# KiCad board MRIRobot_PCB.kicad_pcb
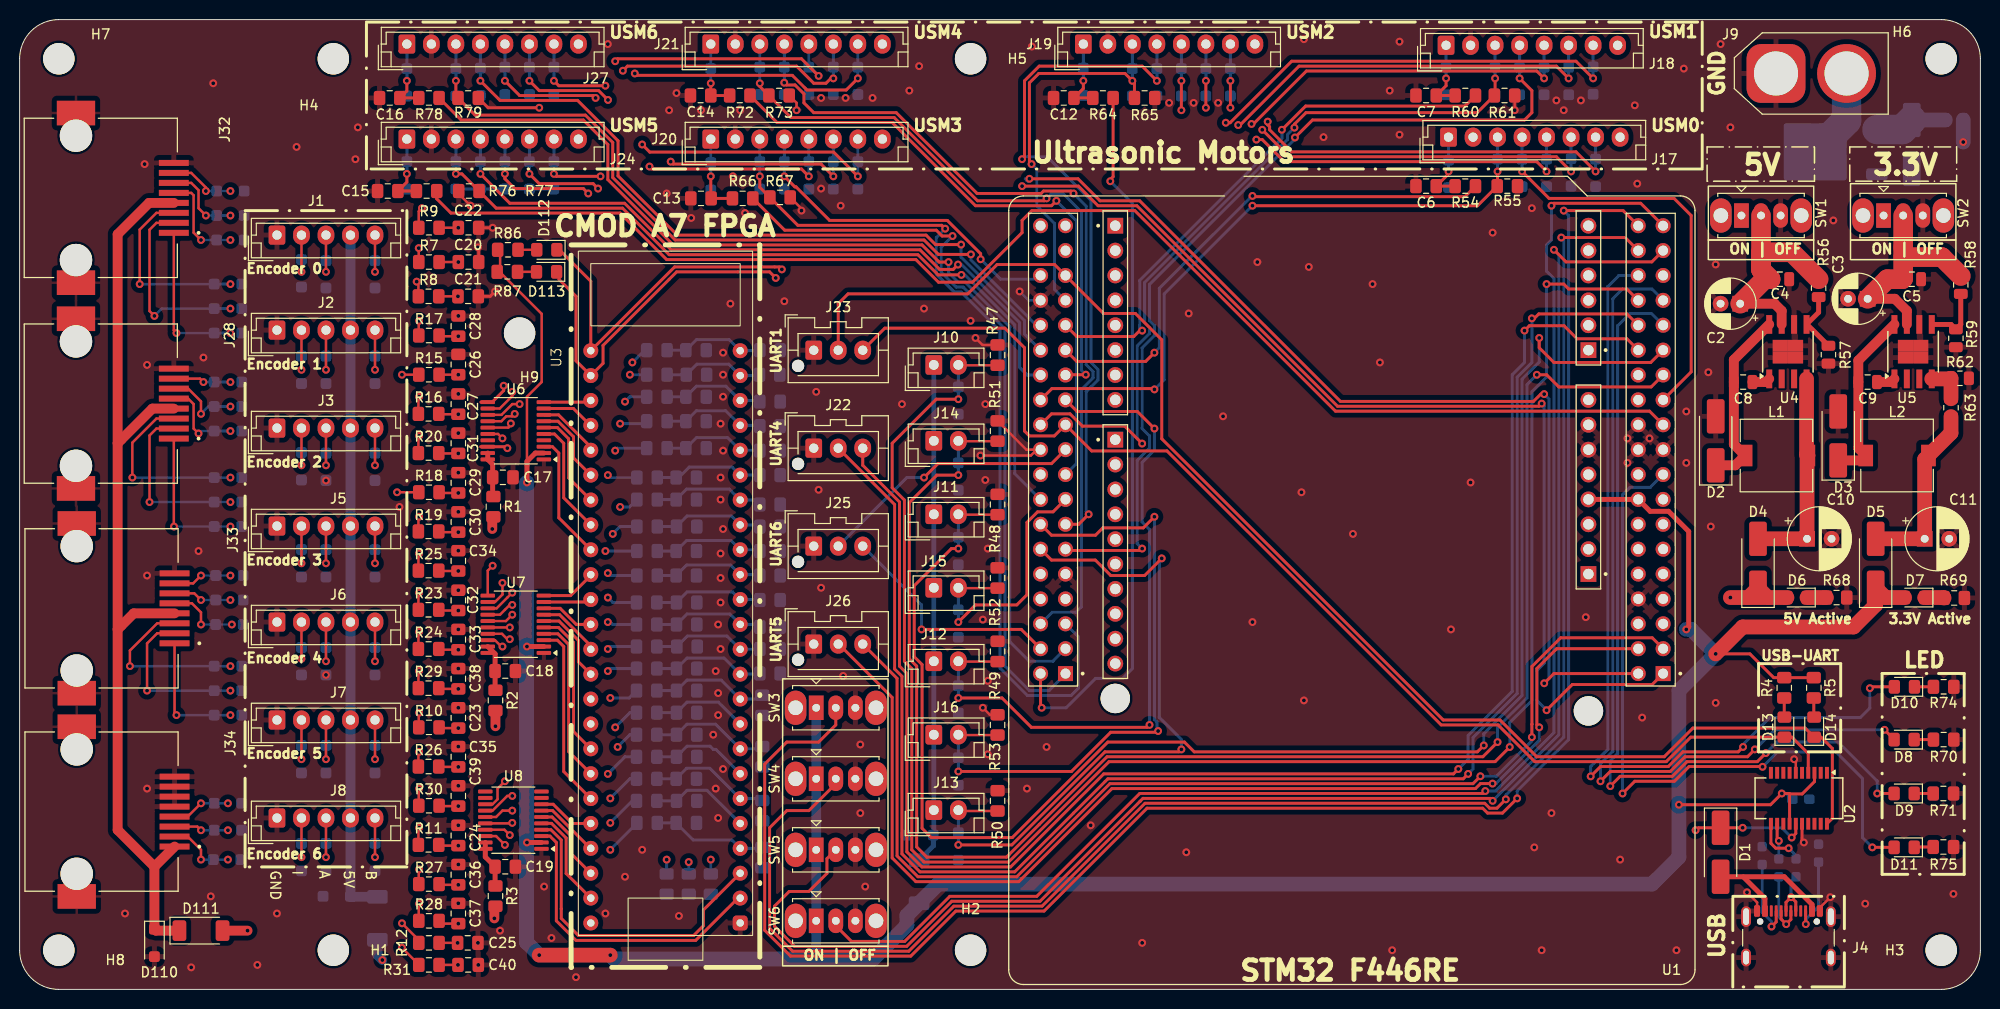
[diagram p0: board, top side]
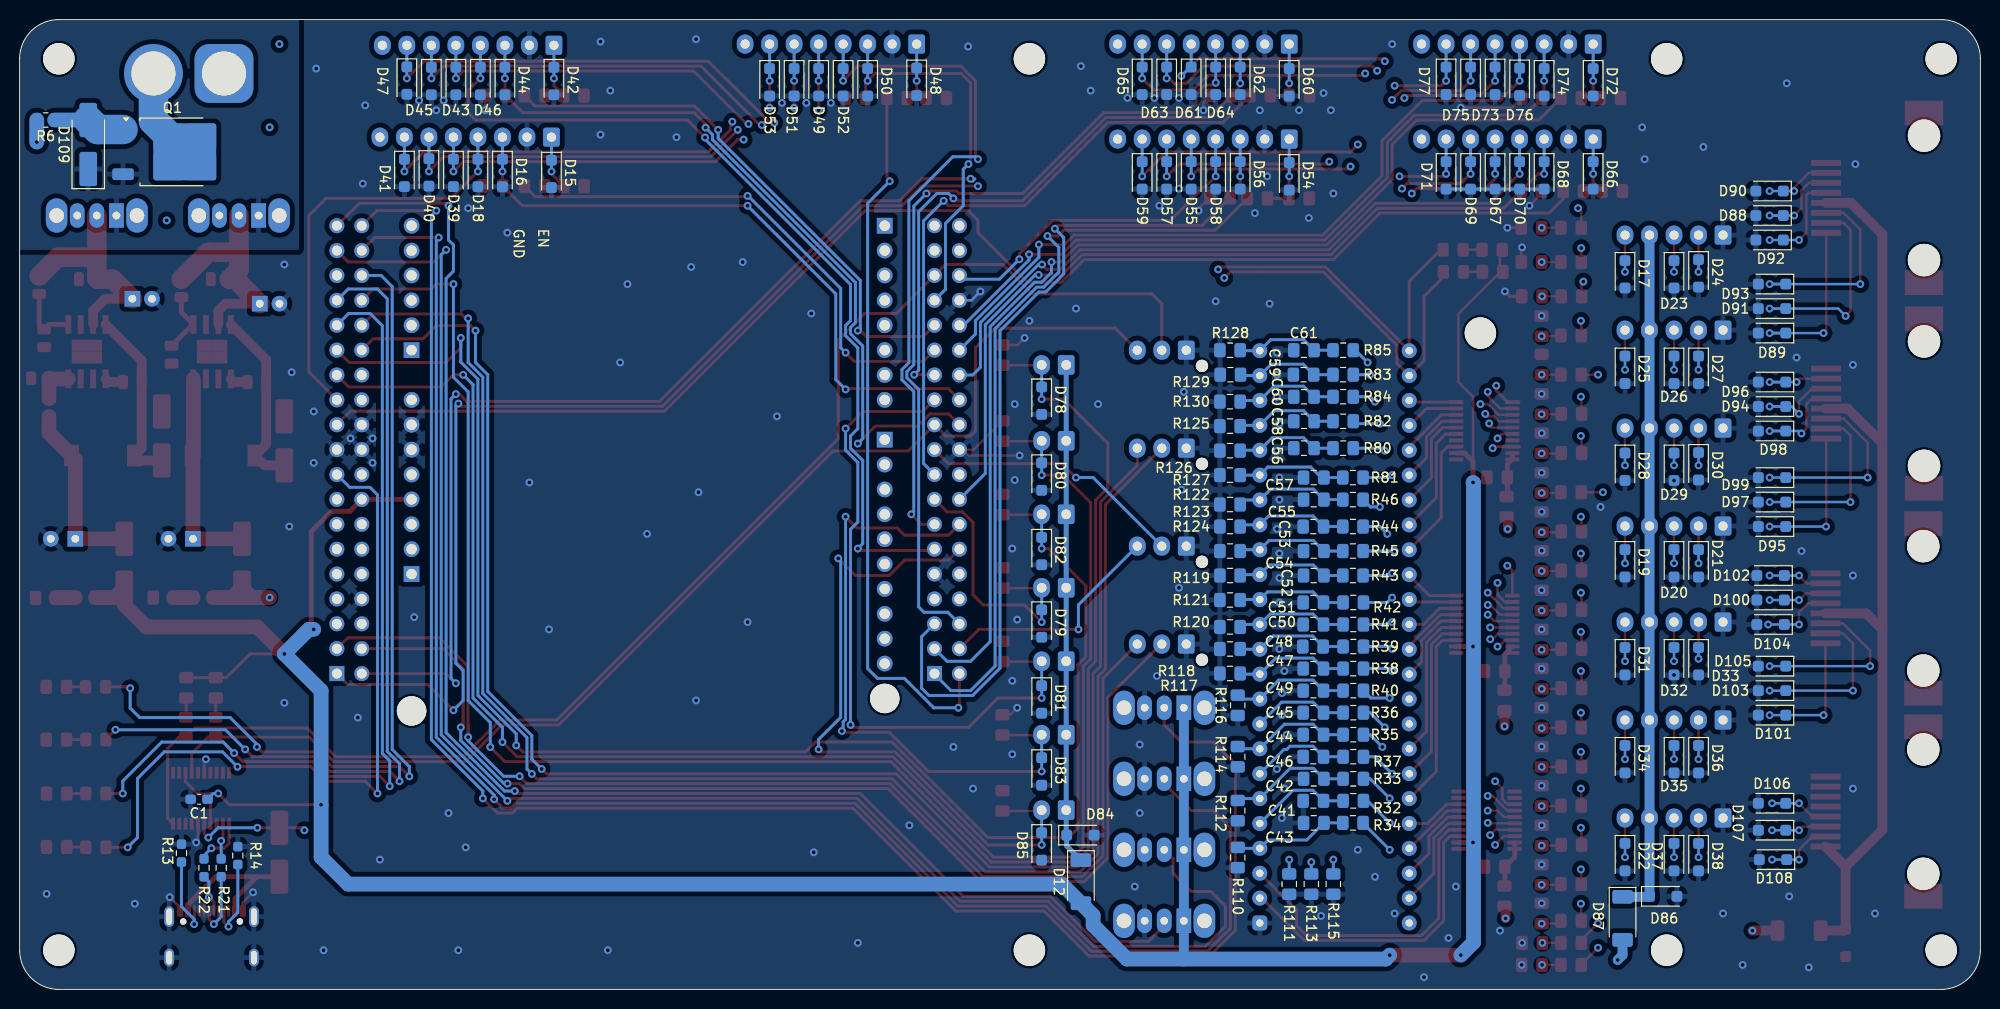
[diagram p1: board, bottom side, seen from below]

Outline 200 x 99 mm; copper layers: Top, In1.Cu, In2.Cu, Bottom. Coordinates in mm from the lower left corner of the outline.
Outline path: 0,95 0,4 arc(1.17,1.17) 4,0 196,0 arc(198.83,1.17) 200,4 200,95 arc(198.83,97.83) 196,99 4,99 arc(1.17,97.83) 0,95
Stack: Top 0.035mm / dielectric 0.1mm FR4 er 4.5 / In1.Cu 0.035mm / dielectric 1.24mm FR4 er 4.5 / In2.Cu 0.035mm / dielectric 0.1mm FR4 er 4.5 / Bottom 0.035mm

## Placement (name value [footprint] x y rotation side)
C1  0.1u  [C_0603_1608Metric_Pad1.08x0.95mm_HandSolder]  181.69 19.41 0 bottom
C2  22uF  [CP_Radial_D5.0mm_P2.00mm]  175.5 70 180 top
C3  22uF  [CP_Radial_D5.0mm_P2.00mm]  188.5 70.5 180 top
C4  6.8uF  [C_0805_2012Metric]  179.55 72.5 0 top
C5  6.8uF  [C_0805_2012Metric]  193 72.5 0 top
C6  0.01 uF  [C_0805_2012Metric_Pad1.18x1.45mm_HandSolder]  143.46 82 180 top
C7  0.01 uF  [C_0805_2012Metric_Pad1.18x1.45mm_HandSolder]  143.46 91.25 180 top
C8  10nF  [C_0805_2012Metric]  175.8 62 180 top
C9  10nF  [C_0805_2012Metric]  188.5 62 180 top
C10  120uF  [CP_Radial_D6.3mm_P2.50mm]  182.32 46 0 top
C11  120uF  [CP_Radial_D6.3mm_P2.50mm]  194.32 46 0 top
C12  0.01 uF  [C_0805_2012Metric_Pad1.18x1.45mm_HandSolder]  106.5 91 180 top
C13  0.01 uF  [C_0805_2012Metric_Pad1.18x1.45mm_HandSolder]  69.5 80.75 180 top
C14  0.01 uF  [C_0805_2012Metric_Pad1.18x1.45mm_HandSolder]  69.46 91.25 180 top
C15  0.01 uF  [C_0805_2012Metric_Pad1.18x1.45mm_HandSolder]  37.55 81.5 180 top
C16  0.01 uF  [C_0805_2012Metric_Pad1.18x1.45mm_HandSolder]  37.75 91 180 top
C17  0.1uF  [C_0805_2012Metric_Pad1.18x1.45mm_HandSolder]  49.29 52.28 0 top
C18  0.1uF  [C_0805_2012Metric_Pad1.18x1.45mm_HandSolder]  49.54 32.5 0 top
C19  0.1uF  [C_0805_2012Metric_Pad1.18x1.45mm_HandSolder]  49.54 12.53 0 top
C20  100 pF  [C_0805_2012Metric_Pad1.18x1.45mm_HandSolder]  45.79 74.25 0 top
C21  100 pF  [C_0805_2012Metric_Pad1.18x1.45mm_HandSolder]  45.75 70.75 0 top
C22  100 pF  [C_0805_2012Metric_Pad1.18x1.45mm_HandSolder]  45.79 77.75 0 top
C23  100 pF  [C_0805_2012Metric_Pad1.18x1.45mm_HandSolder]  44.75 27.71 90 top
C24  100 pF  [C_0805_2012Metric_Pad1.18x1.45mm_HandSolder]  44.75 15.71 90 top
C25  100 pF  [C_0805_2012Metric_Pad1.18x1.45mm_HandSolder]  45.71 4.75 0 top
C26  100 pF  [C_0805_2012Metric_Pad1.18x1.45mm_HandSolder]  44.75 63.79 90 top
C27  100 pF  [C_0805_2012Metric_Pad1.18x1.45mm_HandSolder]  44.75 59.75 90 top
C28  100 pF  [C_0805_2012Metric_Pad1.18x1.45mm_HandSolder]  44.75 67.71 90 top
C29  100 pF  [C_0805_2012Metric_Pad1.18x1.45mm_HandSolder]  44.75 51.71 90 top
C30  100 pF  [C_0805_2012Metric_Pad1.18x1.45mm_HandSolder]  44.75 47.71 90 top
C31  100 pF  [C_0805_2012Metric_Pad1.18x1.45mm_HandSolder]  44.75 55.75 90 top
C32  100 pF  [C_0805_2012Metric_Pad1.18x1.45mm_HandSolder]  44.75 39.71 90 top
C33  100 pF  [C_0805_2012Metric_Pad1.18x1.45mm_HandSolder]  44.75 35.71 90 top
C34  100 pF  [C_0805_2012Metric_Pad1.18x1.45mm_HandSolder]  44.75 43.75 90 top
C35  100 pF  [C_0805_2012Metric_Pad1.18x1.45mm_HandSolder]  44.75 23.75 90 top
C36  100 pF  [C_0805_2012Metric_Pad1.18x1.45mm_HandSolder]  44.75 11.71 90 top
C37  100 pF  [C_0805_2012Metric_Pad1.18x1.45mm_HandSolder]  44.75 7.75 90 top
C38  100 pF  [C_0805_2012Metric_Pad1.18x1.45mm_HandSolder]  44.75 31.71 90 top
C39  100 pF  [C_0805_2012Metric_Pad1.18x1.45mm_HandSolder]  44.75 19.75 90 top
C40  100 pF  [C_0805_2012Metric_Pad1.18x1.45mm_HandSolder]  45.75 2.5 0 top
C41  100 pF  [C_0805_2012Metric_Pad1.18x1.45mm_HandSolder]  68.04 19.25 0 bottom
C42  100 pF  [C_0805_2012Metric_Pad1.18x1.45mm_HandSolder]  68 21.5 0 bottom
C43  100 pF  [C_0805_2012Metric_Pad1.18x1.45mm_HandSolder]  68 17 0 bottom
C44  100 pF  [C_0805_2012Metric_Pad1.18x1.45mm_HandSolder]  68.04 26 0 bottom
C45  100 pF  [C_0805_2012Metric_Pad1.18x1.45mm_HandSolder]  68.04 28.25 0 bottom
C46  100 pF  [C_0805_2012Metric_Pad1.18x1.45mm_HandSolder]  68.04 23.75 0 bottom
C47  100 pF  [C_0805_2012Metric_Pad1.18x1.45mm_HandSolder]  68.04 32.75 0 bottom
C48  100 pF  [C_0805_2012Metric_Pad1.18x1.45mm_HandSolder]  68.08 35 0 bottom
C49  100 pF  [C_0805_2012Metric_Pad1.18x1.45mm_HandSolder]  68.04 30.5 0 bottom
C50  100 pF  [C_0805_2012Metric_Pad1.18x1.45mm_HandSolder]  68.04 37.25 0 bottom
C51  100 pF  [C_0805_2012Metric_Pad1.18x1.45mm_HandSolder]  68.04 39.5 0 bottom
C52  100 pF  [C_0805_2012Metric_Pad1.18x1.45mm_HandSolder]  68 42.25 0 bottom
C53  100 pF  [C_0805_2012Metric_Pad1.18x1.45mm_HandSolder]  68.04 47.25 0 bottom
C54  100 pF  [C_0805_2012Metric_Pad1.18x1.45mm_HandSolder]  68 44.75 0 bottom
C55  100 pF  [C_0805_2012Metric_Pad1.18x1.45mm_HandSolder]  68 50 0 bottom
C56  100 pF  [C_0805_2012Metric_Pad1.18x1.45mm_HandSolder]  69 55.25 0 bottom
C57  100 pF  [C_0805_2012Metric_Pad1.18x1.45mm_HandSolder]  68 52.25 0 bottom
C58  100 pF  [C_0805_2012Metric_Pad1.18x1.45mm_HandSolder]  69 58 0 bottom
C59  100 pF  [C_0805_2012Metric_Pad1.18x1.45mm_HandSolder]  69.04 62.75 0 bottom
C60  100 pF  [C_0805_2012Metric_Pad1.18x1.45mm_HandSolder]  69 60.5 0 bottom
C61  100 pF  [C_0805_2012Metric_Pad1.18x1.45mm_HandSolder]  69 65.25 0 bottom
D1  D  [D_SMA_Handsoldering]  173.5 14 270 top
D2  D  [D_SMA_Handsoldering]  173 56 90 top
D3  D  [D_SMA_Handsoldering]  185.5 56.5 90 top
D4  D  [D_SMA_Handsoldering]  177.32 43.5 90 top
D5  D  [D_SMA_Handsoldering]  189.32 43.5 90 top
D6  LED  [LED_0805_2012Metric_Pad1.15x1.40mm_HandSolder]  181.29 40 180 top
D7  LED  [LED_0805_2012Metric_Pad1.15x1.40mm_HandSolder]  193.29 40 180 top
D8  LED  [LED_0805_2012Metric_Pad1.15x1.40mm_HandSolder]  192.22 25.5 180 top
D9  LED  [LED_0805_2012Metric_Pad1.15x1.40mm_HandSolder]  192.22 20 180 top
D10  LED  [LED_0805_2012Metric_Pad1.15x1.40mm_HandSolder]  192.25 30.89 180 top
D11  LED  [LED_0805_2012Metric_Pad1.15x1.40mm_HandSolder]  192.22 14.5 180 top
D12  D  [D_SOD-128]  91.75 11 270 bottom
D13  LED  [LED_0805_2012Metric_Pad1.15x1.40mm_HandSolder]  180.01 26.78 90 top
D14  LED  [LED_0805_2012Metric_Pad1.15x1.40mm_HandSolder]  183.05 26.78 90 top
D15  D_TVS  [D_SOD-123F]  145.75 83.25 270 bottom
D16  D_TVS  [D_SOD-123F]  150.75 83.35 270 bottom
D17  D_TVS  [D_SOD-123F]  36.25 73 270 bottom
D18  D_TVS  [D_SOD-123F]  153.25 83.35 270 bottom
D19  D_TVS  [D_SOD-123F]  36.25 43.5 270 bottom
D20  D_TVS  [D_SOD-123F]  31.25 43.5 270 bottom
D21  D_TVS  [D_SOD-123F]  28.75 43.5 270 bottom
D22  D_TVS  [D_SOD-123F]  36.25 13.5 270 bottom
D23  D_TVS  [D_SOD-123F]  31.25 73 270 bottom
D24  D_TVS  [D_SOD-123F]  28.75 73.1 270 bottom
D25  D_TVS  [D_SOD-123F]  36.25 63.25 270 bottom
D26  D_TVS  [D_SOD-123F]  31.25 63.25 270 bottom
D27  D_TVS  [D_SOD-123F]  28.75 63.25 270 bottom
D28  D_TVS  [D_SOD-123F]  36.25 53.35 270 bottom
D29  D_TVS  [D_SOD-123F]  31.25 53.35 270 bottom
D30  D_TVS  [D_SOD-123F]  28.75 53.4 270 bottom
D31  D_TVS  [D_SOD-123F]  36.25 33.5 270 bottom
D32  D_TVS  [D_SOD-123F]  31.25 33.5 270 bottom
D33  D_TVS  [D_SOD-123F]  28.75 33.5 270 bottom
D34  D_TVS  [D_SOD-123F]  36.25 23.5 270 bottom
D35  D_TVS  [D_SOD-123F]  31.25 23.5 270 bottom
D36  D_TVS  [D_SOD-123F]  28.75 23.5 270 bottom
D37  D_TVS  [D_SOD-123F]  31.25 13.5 270 bottom
D38  D_TVS  [D_SOD-123F]  28.75 13.5 270 bottom
D39  D_TVS  [D_SOD-123F]  155.75 83.35 270 bottom
D40  D_TVS  [D_SOD-123F]  158.25 83.4 270 bottom
D41  D_TVS  [D_SOD-123F]  160.75 83.35 270 bottom
D42  D_TVS  [D_SOD-123F]  145.5 92.72 270 bottom
D43  D_TVS  [D_SOD-123F]  155.5 92.72 270 bottom
D44  D_TVS  [D_SOD-123F]  150.5 92.72 270 bottom
D45  D_TVS  [D_SOD-123F]  158 92.72 270 bottom
D46  D_TVS  [D_SOD-123F]  153 92.72 270 bottom
D47  D_TVS  [D_SOD-123F]  160.5 92.78 270 bottom
D48  D_TVS  [D_SOD-123F]  108.5 92.65 270 bottom
D49  D_TVS  [D_SOD-123F]  118.5 92.6 270 bottom
D50  D_TVS  [D_SOD-123F]  113.5 92.6 270 bottom
D51  D_TVS  [D_SOD-123F]  121 92.6 270 bottom
D52  D_TVS  [D_SOD-123F]  116 92.6 270 bottom
D53  D_TVS  [D_SOD-123F]  123.5 92.6 270 bottom
D54  D_TVS  [D_SOD-123F]  70.5 83 270 bottom
D55  D_TVS  [D_SOD-123F]  80.5 83.1 270 bottom
D56  D_TVS  [D_SOD-123F]  75.5 83.1 270 bottom
D57  D_TVS  [D_SOD-123F]  83 83.1 270 bottom
D58  D_TVS  [D_SOD-123F]  78 83.1 270 bottom
D59  D_TVS  [D_SOD-123F]  85.5 83.1 270 bottom
D60  D_TVS  [D_SOD-123F]  70.5 92.6 270 bottom
D61  D_TVS  [D_SOD-123F]  80.5 92.75 270 bottom
D62  D_TVS  [D_SOD-123F]  75.5 92.75 270 bottom
D63  D_TVS  [D_SOD-123F]  83 92.75 270 bottom
D64  D_TVS  [D_SOD-123F]  78 92.75 270 bottom
D65  D_TVS  [D_SOD-123F]  85.5 92.75 270 bottom
D66  D_TVS  [D_SOD-123F]  39.5 83.1 270 bottom
D67  D_TVS  [D_SOD-123F]  49.5 83.1 270 bottom
D68  D_TVS  [D_SOD-123F]  44.5 83.1 270 bottom
D69  D_TVS  [D_SOD-123F]  52 83.1 270 bottom
D70  D_TVS  [D_SOD-123F]  47 83.1 270 bottom
D71  D_TVS  [D_SOD-123F]  54.5 83.1 270 bottom
D72  D_TVS  [D_SOD-123F]  39.5 92.6 270 bottom
D73  D_TVS  [D_SOD-123F]  49.5 92.75 270 bottom
D74  D_TVS  [D_SOD-123F]  44.5 92.6 270 bottom
D75  D_TVS  [D_SOD-123F]  52 92.75 270 bottom
D76  D_TVS  [D_SOD-123F]  47 92.65 270 bottom
D77  D_TVS  [D_SOD-123F]  54.5 92.75 270 bottom
D78  D_TVS  [D_SOD-123F]  95.75 60.1 270 bottom
D79  D_TVS  [D_SOD-123F]  95.75 37.35 270 bottom
D80  D_TVS  [D_SOD-123F]  95.75 52.35 270 bottom
D81  D_TVS  [D_SOD-123F]  95.75 29.6 270 bottom
D82  D_TVS  [D_SOD-123F]  95.75 44.75 270 bottom
D83  D_TVS  [D_SOD-123F]  95.75 22.25 270 bottom
D84  D_TVS  [D_SOD-123F]  91.8 15.75 180 bottom
D85  D_TVS  [D_SOD-123F]  95.75 14.6 270 bottom
D86  D_TVS  [D_SOD-123F]  32.35 9.5 180 bottom
D87  D  [D_SOD-128]  36.5 7.25 270 bottom
D88  D_TVS  [D_SOD-123F]  21.5 79 0 bottom
D89  D_TVS  [D_SOD-123F]  21.25 67 0 bottom
D90  D_TVS  [D_SOD-123F]  21.5 81.5 0 bottom
D91  D_TVS  [D_SOD-123F]  21.25 69.5 0 bottom
D92  D_TVS  [D_SOD-123F]  21.5 76.5 0 bottom
D93  D_TVS  [D_SOD-123F]  21.25 72 0 bottom
D94  D_TVS  [D_SOD-123F]  21.25 59.5 0 bottom
D95  D_TVS  [D_SOD-123F]  21.25 47.25 0 bottom
D96  D_TVS  [D_SOD-123F]  21.25 62 0 bottom
D97  D_TVS  [D_SOD-123F]  21.25 49.75 0 bottom
D98  D_TVS  [D_SOD-123F]  21.25 57 0 bottom
D99  D_TVS  [D_SOD-123F]  21.25 52.25 0 bottom
D100  D_TVS  [D_SOD-123F]  21.4 39.75 0 bottom
D101  D_TVS  [D_SOD-123F]  21.25 28 0 bottom
D102  D_TVS  [D_SOD-123F]  21.4 42.25 0 bottom
D103  D_TVS  [D_SOD-123F]  21.25 30.5 0 bottom
D104  D_TVS  [D_SOD-123F]  21.4 37.25 0 bottom
D105  D_TVS  [D_SOD-123F]  21.25 33 0 bottom
D106  D_TVS  [D_SOD-123F]  21.25 19 0 bottom
D107  D_TVS  [D_SOD-123F]  21.25 16.25 0 bottom
D108  D_TVS  [D_SOD-123F]  21.15 13.25 0 bottom
D109  D_Zener  [D_SMA_Handsoldering]  193 86.25 90 bottom
D110  D_TVS  [D_SOD-123F]  13.75 4.75 270 top
D111  D  [D_SOD-128]  18.5 6 0 top
D112  LED  [LED_0805_2012Metric_Pad1.15x1.40mm_HandSolder]  53.78 75.5 180 top
D113  LED  [LED_0805_2012Metric_Pad1.15x1.40mm_HandSolder]  53.75 73.25 180 top
H1  MountingHole  [MountingHole_3.2mm_M3]  32 4 0 top
H2  MountingHole  [MountingHole_3.2mm_M3]  97 4 0 top
H3  MountingHole  [MountingHole_3.2mm_M3]  196 4 0 top
H4  MountingHole  [MountingHole_3.2mm_M3]  32 95 0 top
H5  MountingHole  [MountingHole_3.2mm_M3]  97 95 0 top
H6  MountingHole  [MountingHole_3.2mm_M3]  196 95 0 top
H7  MountingHole  [MountingHole_3.2mm_M3]  4 95 0 top
H8  MountingHole  [MountingHole_3.2mm_M3]  4 4 0 top
H9  MountingHole  [MountingHole_3.2mm_M3]  51 67 0 top
J1  Conn_01x05  [JST_EH_B5B-EH-A_1x05_P2.50mm_Vertical]  26.25 77 0 top
J2  Conn_01x05  [JST_EH_B5B-EH-A_1x05_P2.50mm_Vertical]  26.25 67.3 0 top
J3  Conn_01x05  [JST_EH_B5B-EH-A_1x05_P2.50mm_Vertical]  26.25 57.3 0 top
J4  USB_C_Receptacle_USB2.0_16P  [USB_C_Receptacle_GCT_USB4105-xx-A_16P_TopMnt_Horizontal]  180.42 4.32 0 top
J5  Conn_01x05  [JST_EH_B5B-EH-A_1x05_P2.50mm_Vertical]  26.25 47.3 0 top
J6  Conn_01x05  [JST_EH_B5B-EH-A_1x05_P2.50mm_Vertical]  26.25 37.5 0 top
J7  Conn_01x05  [JST_EH_B5B-EH-A_1x05_P2.50mm_Vertical]  26.25 27.5 0 top
J8  Conn_01x05  [JST_EH_B5B-EH-A_1x05_P2.50mm_Vertical]  26.25 17.5 0 top
J9  Power In  [AMASS_XT60-M_1x02_P7.20mm_Vertical]  179.15 93.5 0 top
J10  Homing  [JST_EH_B2B-EH-A_1x02_P2.50mm_Vertical]  93.25 63.75 0 top
J11  Homing  [JST_EH_B2B-EH-A_1x02_P2.50mm_Vertical]  93.25 48.5 0 top
J12  Homing  [JST_EH_B2B-EH-A_1x02_P2.50mm_Vertical]  93.25 33.5 0 top
J13  Homing  [JST_EH_B2B-EH-A_1x02_P2.50mm_Vertical]  93.25 18.3 0 top
J14  Homing  [JST_EH_B2B-EH-A_1x02_P2.50mm_Vertical]  93.25 56 0 top
J15  Homing  [JST_EH_B2B-EH-A_1x02_P2.50mm_Vertical]  93.25 41 0 top
J16  Homing  [JST_EH_B2B-EH-A_1x02_P2.50mm_Vertical]  93.25 26 0 top
J17  Conn_01x08  [JST_EH_B8B-EH-A_1x08_P2.50mm_Vertical]  145.75 87 0 top
J18  Conn_01x08  [JST_EH_B8B-EH-A_1x08_P2.50mm_Vertical]  145.5 96.38 0 top
J19  Conn_01x08  [JST_EH_B8B-EH-A_1x08_P2.50mm_Vertical]  108.5 96.5 0 top
J20  Conn_01x08  [JST_EH_B8B-EH-A_1x08_P2.50mm_Vertical]  70.5 86.8 0 top
J21  Conn_01x08  [JST_EH_B8B-EH-A_1x08_P2.50mm_Vertical]  70.5 96.5 0 top
J22  Conn_01x03  [JST_XA_B03B-XASK-1-A_1x03_P2.50mm_Vertical]  81 55.25 0 top
J23  Conn_01x03  [JST_XA_B03B-XASK-1-A_1x03_P2.50mm_Vertical]  81 65.25 0 top
J24  Conn_01x08  [JST_EH_B8B-EH-A_1x08_P2.50mm_Vertical]  39.5 86.8 0 top
J25  Conn_01x03  [JST_XA_B03B-XASK-1-A_1x03_P2.50mm_Vertical]  81 45.25 0 top
J26  Conn_01x03  [JST_XA_B03B-XASK-1-A_1x03_P2.50mm_Vertical]  81 35.25 0 top
J27  Conn_01x08  [JST_EH_B8B-EH-A_1x08_P2.50mm_Vertical]  39.5 96.5 0 top
J28  RJCSE538001  [AMPHENOL_RJCSE538001]  5.75 59.8 270 top
J32  RJCSE538001  [AMPHENOL_RJCSE538001]  5.75 80.8 270 top
J33  RJCSE538001  [AMPHENOL_RJCSE538001]  5.82 38.9 270 top
J34  RJCSE538001  [AMPHENOL_RJCSE538001]  5.82 18.15 270 top
L1  8.2uH  [L_7.3x7.3_H3.5]  179.2 54.5 0 top
L2  8.2uH  [L_7.3x7.3_H3.5]  191.5 54.5 0 top
Q1  SUD08P06-155L  [TO-252-2]  184.41 85.5 180 bottom
R1  200k  [C_0805_2012Metric_Pad1.18x1.45mm_HandSolder]  48.33 49.28 90 top
R2  200k  [C_0805_2012Metric_Pad1.18x1.45mm_HandSolder]  48.54 29.5 90 top
R3  200k  [C_0805_2012Metric_Pad1.18x1.45mm_HandSolder]  48.54 9.53 90 top
R4  290  [C_0805_2012Metric_Pad1.18x1.45mm_HandSolder]  179.99 30.79 270 top
R5  290  [C_0805_2012Metric_Pad1.18x1.45mm_HandSolder]  183.01 30.79 270 top
R6  100K  [R_0805_2012Metric]  197.34 88.75 0 bottom
R7  1k  [C_0805_2012Metric_Pad1.18x1.45mm_HandSolder]  41.75 74.25 0 top
R8  1k  [C_0805_2012Metric_Pad1.18x1.45mm_HandSolder]  41.71 70.75 0 top
R9  1k  [C_0805_2012Metric_Pad1.18x1.45mm_HandSolder]  41.75 77.75 0 top
R10  1k  [C_0805_2012Metric_Pad1.18x1.45mm_HandSolder]  41.75 26.75 0 top
R11  1k  [C_0805_2012Metric_Pad1.18x1.45mm_HandSolder]  41.71 14.75 0 top
R12  1k  [C_0805_2012Metric_Pad1.18x1.45mm_HandSolder]  41.75 4.75 0 top
R13  5.1k  [R_0603_1608Metric_Pad0.98x0.95mm_HandSolder]  183.49 13.91 90 bottom
R14  5.1k  [R_0603_1608Metric_Pad0.98x0.95mm_HandSolder]  177.74 13.66 90 bottom
R15  1k  [C_0805_2012Metric_Pad1.18x1.45mm_HandSolder]  41.75 62.75 0 top
R16  1k  [C_0805_2012Metric_Pad1.18x1.45mm_HandSolder]  41.71 58.75 0 top
R17  1k  [C_0805_2012Metric_Pad1.18x1.45mm_HandSolder]  41.75 66.75 0 top
R18  1k  [C_0805_2012Metric_Pad1.18x1.45mm_HandSolder]  41.75 50.75 0 top
R19  1k  [C_0805_2012Metric_Pad1.18x1.45mm_HandSolder]  41.71 46.75 0 top
R20  1k  [C_0805_2012Metric_Pad1.18x1.45mm_HandSolder]  41.71 54.75 0 top
R21  27  [R_0603_1608Metric_Pad0.98x0.95mm_HandSolder]  179.44 12.41 90 bottom
R22  27  [R_0603_1608Metric_Pad0.98x0.95mm_HandSolder]  181.19 12.41 90 bottom
R23  1k  [C_0805_2012Metric_Pad1.18x1.45mm_HandSolder]  41.71 38.75 0 top
R24  1k  [C_0805_2012Metric_Pad1.18x1.45mm_HandSolder]  41.71 34.75 0 top
R25  1k  [C_0805_2012Metric_Pad1.18x1.45mm_HandSolder]  41.71 42.75 0 top
R26  1k  [C_0805_2012Metric_Pad1.18x1.45mm_HandSolder]  41.71 22.75 0 top
R27  1k  [C_0805_2012Metric_Pad1.18x1.45mm_HandSolder]  41.75 10.75 0 top
R28  1k  [C_0805_2012Metric_Pad1.18x1.45mm_HandSolder]  41.75 7 0 top
R29  1k  [C_0805_2012Metric_Pad1.18x1.45mm_HandSolder]  41.71 30.75 0 top
R30  1k  [C_0805_2012Metric_Pad1.18x1.45mm_HandSolder]  41.75 18.75 0 top
R31  1k  [C_0805_2012Metric_Pad1.18x1.45mm_HandSolder]  41.75 2.5 0 top
R32  1k  [C_0805_2012Metric_Pad1.18x1.45mm_HandSolder]  63.96 19.25 0 bottom
R33  1k  [C_0805_2012Metric_Pad1.18x1.45mm_HandSolder]  63.96 21.5 0 bottom
R34  1k  [C_0805_2012Metric_Pad1.18x1.45mm_HandSolder]  64 17 0 bottom
R35  1k  [C_0805_2012Metric_Pad1.18x1.45mm_HandSolder]  63.96 26 0 bottom
R36  1k  [C_0805_2012Metric_Pad1.18x1.45mm_HandSolder]  63.96 28.25 0 bottom
R37  1k  [C_0805_2012Metric_Pad1.18x1.45mm_HandSolder]  63.96 23.75 0 bottom
R38  1k  [C_0805_2012Metric_Pad1.18x1.45mm_HandSolder]  63.96 32.75 0 bottom
R39  1k  [C_0805_2012Metric_Pad1.18x1.45mm_HandSolder]  63.96 35 0 bottom
R40  1k  [C_0805_2012Metric_Pad1.18x1.45mm_HandSolder]  63.96 30.5 0 bottom
R41  1k  [C_0805_2012Metric_Pad1.18x1.45mm_HandSolder]  63.96 37.25 0 bottom
R42  1k  [C_0805_2012Metric_Pad1.18x1.45mm_HandSolder]  63.96 39.5 0 bottom
R43  1k  [C_0805_2012Metric_Pad1.18x1.45mm_HandSolder]  64 42.25 0 bottom
R44  1k  [C_0805_2012Metric_Pad1.18x1.45mm_HandSolder]  64 47.25 0 bottom
R45  1k  [C_0805_2012Metric_Pad1.18x1.45mm_HandSolder]  64 44.75 0 bottom
R46  1k  [C_0805_2012Metric_Pad1.18x1.45mm_HandSolder]  64 50 0 bottom
R47  10k  [C_0805_2012Metric_Pad1.18x1.45mm_HandSolder]  99.75 64.75 90 top
R48  10k  [C_0805_2012Metric_Pad1.18x1.45mm_HandSolder]  99.75 49.5 90 top
R49  10k  [C_0805_2012Metric_Pad1.18x1.45mm_HandSolder]  99.75 34.5 90 top
R50  10k  [C_0805_2012Metric_Pad1.18x1.45mm_HandSolder]  99.75 19.25 90 top
R51  10k  [C_0805_2012Metric_Pad1.18x1.45mm_HandSolder]  99.75 57 90 top
R52  10k  [C_0805_2012Metric_Pad1.18x1.45mm_HandSolder]  99.75 42 90 top
R53  10k  [C_0805_2012Metric_Pad1.18x1.45mm_HandSolder]  99.75 27 90 top
R54  4K  [C_0805_2012Metric_Pad1.18x1.45mm_HandSolder]  147.46 82 180 top
R55  4K  [C_0805_2012Metric_Pad1.18x1.45mm_HandSolder]  151.75 82 0 top
R56  6.2k  [R_0805_2012Metric]  183.5 71.59 270 top
R57  1k  [R_0805_2012Metric]  184.5 64.8 270 top
R58  6.2k  [R_0805_2012Metric]  198 71.91 270 top
R59  1k  [R_0805_2012Metric]  197.5 66.47 270 top
R60  4K  [C_0805_2012Metric_Pad1.18x1.45mm_HandSolder]  147.46 91.25 180 top
R61  4K  [C_0805_2012Metric_Pad1.18x1.45mm_HandSolder]  151.46 91.25 0 top
R62  976  [R_0805_2012Metric]  197.91 62.38 0 top
R63  1.54k  [R_0805_2012Metric]  197 59.38 90 top
R64  4K  [C_0805_2012Metric_Pad1.18x1.45mm_HandSolder]  110.5 91 180 top
R65  4K  [C_0805_2012Metric_Pad1.18x1.45mm_HandSolder]  114.75 91 0 top
R66  4K  [C_0805_2012Metric_Pad1.18x1.45mm_HandSolder]  73.75 80.75 180 top
R67  4K  [C_0805_2012Metric_Pad1.18x1.45mm_HandSolder]  77.56 80.85 0 top
R68  290  [C_0805_2012Metric_Pad1.18x1.45mm_HandSolder]  185.33 40 0 top
R69  290  [C_0805_2012Metric_Pad1.18x1.45mm_HandSolder]  197.33 39.96 0 top
R70  290  [C_0805_2012Metric_Pad1.18x1.45mm_HandSolder]  196.25 25.5 0 top
R71  290  [C_0805_2012Metric_Pad1.18x1.45mm_HandSolder]  196.22 20 0 top
R72  4K  [C_0805_2012Metric_Pad1.18x1.45mm_HandSolder]  73.46 91.25 180 top
R73  4K  [C_0805_2012Metric_Pad1.18x1.45mm_HandSolder]  77.46 91.25 0 top
R74  290  [C_0805_2012Metric_Pad1.18x1.45mm_HandSolder]  196.25 30.89 0 top
R75  290  [C_0805_2012Metric_Pad1.18x1.45mm_HandSolder]  196.22 14.54 0 top
R76  4K  [C_0805_2012Metric_Pad1.18x1.45mm_HandSolder]  41.51 81.5 180 top
R77  4K  [C_0805_2012Metric_Pad1.18x1.45mm_HandSolder]  45.83 81.5 180 top
R78  4K  [C_0805_2012Metric_Pad1.18x1.45mm_HandSolder]  41.75 91 180 top
R79  4K  [C_0805_2012Metric_Pad1.18x1.45mm_HandSolder]  45.75 91 0 top
R80  1k  [C_0805_2012Metric_Pad1.18x1.45mm_HandSolder]  65 55.25 0 bottom
R81  1k  [C_0805_2012Metric_Pad1.18x1.45mm_HandSolder]  64 52.25 0 bottom
R82  1k  [C_0805_2012Metric_Pad1.18x1.45mm_HandSolder]  65 58 0 bottom
R83  1k  [C_0805_2012Metric_Pad1.18x1.45mm_HandSolder]  65 62.75 0 bottom
R84  1k  [C_0805_2012Metric_Pad1.18x1.45mm_HandSolder]  65 60.5 0 bottom
R85  1k  [C_0805_2012Metric_Pad1.18x1.45mm_HandSolder]  65 65.25 0 bottom
R86  290  [C_0805_2012Metric_Pad1.18x1.45mm_HandSolder]  49.8 75.5 0 top
R87  290  [C_0805_2012Metric_Pad1.18x1.45mm_HandSolder]  49.75 73.25 0 top
R110  10k  [C_0805_2012Metric_Pad1.18x1.45mm_HandSolder]  75.75 13.46 270 bottom
R111  10k  [C_0805_2012Metric_Pad1.18x1.45mm_HandSolder]  70.5 10.75 270 bottom
R112  10k  [C_0805_2012Metric_Pad1.18x1.45mm_HandSolder]  75.75 18.25 270 bottom
R113  10k  [C_0805_2012Metric_Pad1.18x1.45mm_HandSolder]  68.25 10.75 270 bottom
R114  10k  [C_0805_2012Metric_Pad1.18x1.45mm_HandSolder]  75.75 23.75 270 bottom
R115  10k  [C_0805_2012Metric_Pad1.18x1.45mm_HandSolder]  66 10.75 270 bottom
R116  10k  [C_0805_2012Metric_Pad1.18x1.45mm_HandSolder]  75.75 29 270 bottom
R117  10k  [C_0805_2012Metric_Pad1.18x1.45mm_HandSolder]  76.54 32.25 0 bottom
R118  10k  [C_0805_2012Metric_Pad1.18x1.45mm_HandSolder]  76.54 34.75 0 bottom
R119  10k  [C_0805_2012Metric_Pad1.18x1.45mm_HandSolder]  76.54 42.25 0 bottom
R120  10k  [C_0805_2012Metric_Pad1.18x1.45mm_HandSolder]  76.54 37 0 bottom
R121  10k  [C_0805_2012Metric_Pad1.18x1.45mm_HandSolder]  76.54 39.75 0 bottom
R122  10k  [C_0805_2012Metric_Pad1.18x1.45mm_HandSolder]  76.54 49.5 0 bottom
R123  10k  [C_0805_2012Metric_Pad1.18x1.45mm_HandSolder]  76.54 47.25 0 bottom
R124  10k  [C_0805_2012Metric_Pad1.18x1.45mm_HandSolder]  76.54 44.75 0 bottom
R125  10k  [C_0805_2012Metric_Pad1.18x1.45mm_HandSolder]  76.54 57.5 0 bottom